# KiCad board yellow_panda.kicad_pcb
title: yellow_panda; rev: v1.0.0; company: Unknown
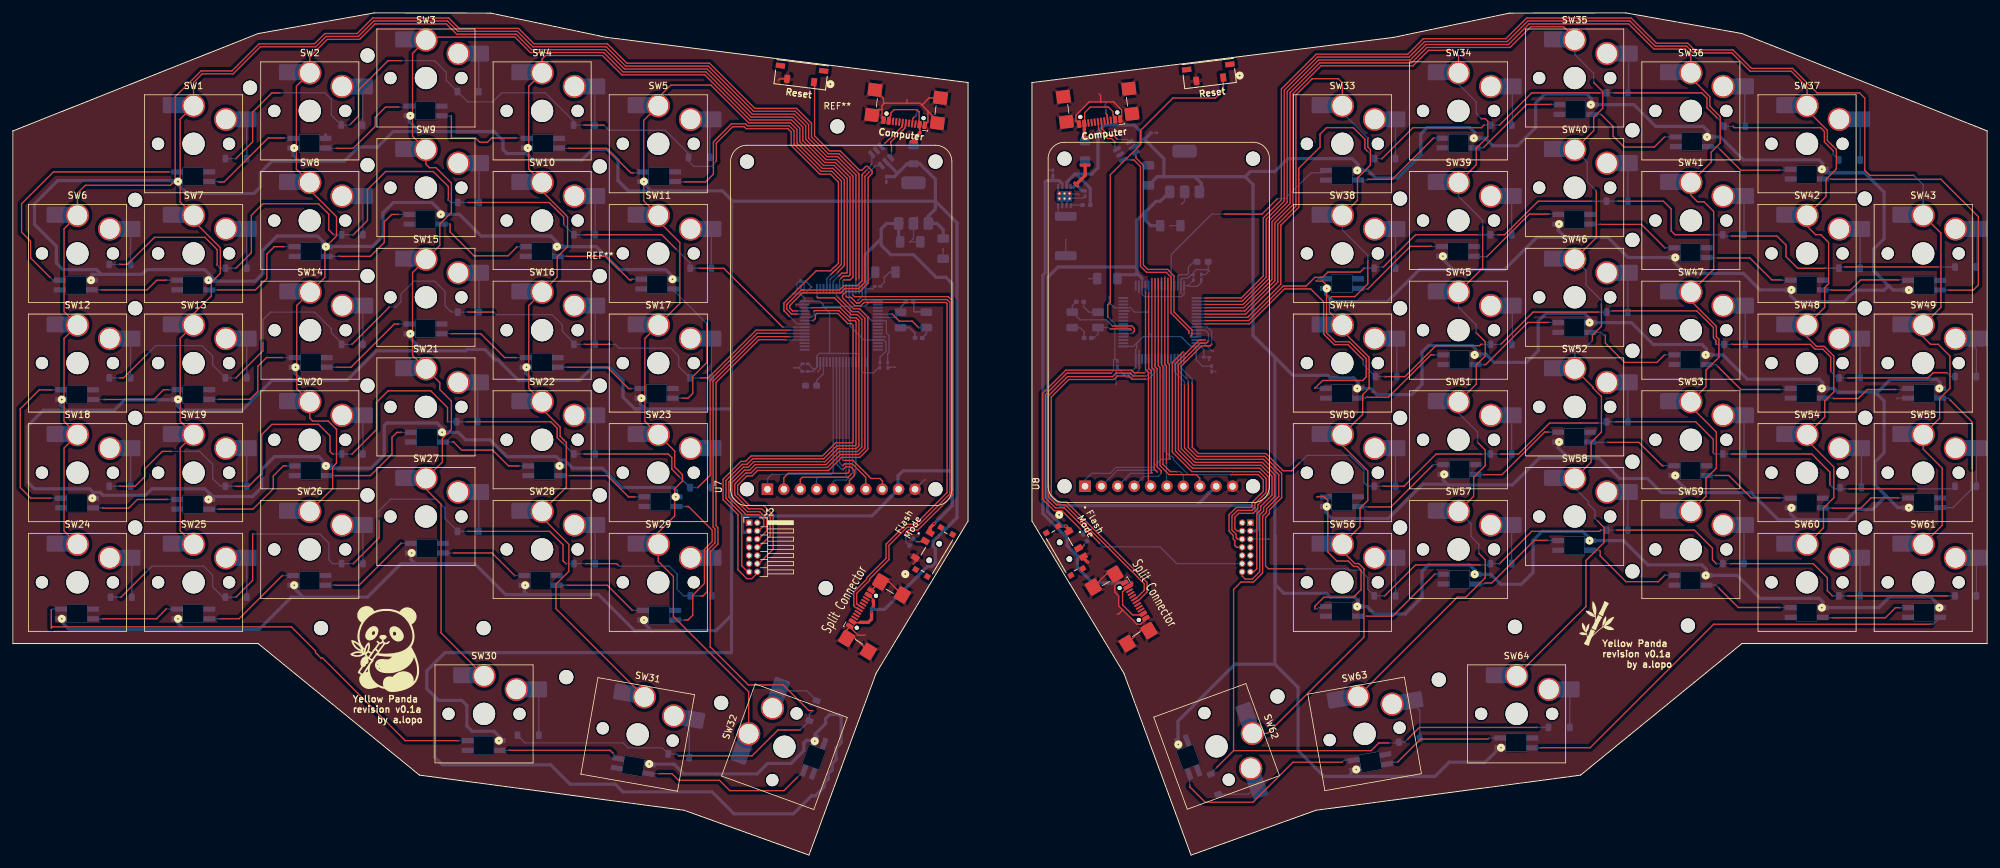
[diagram p0: board, top side]
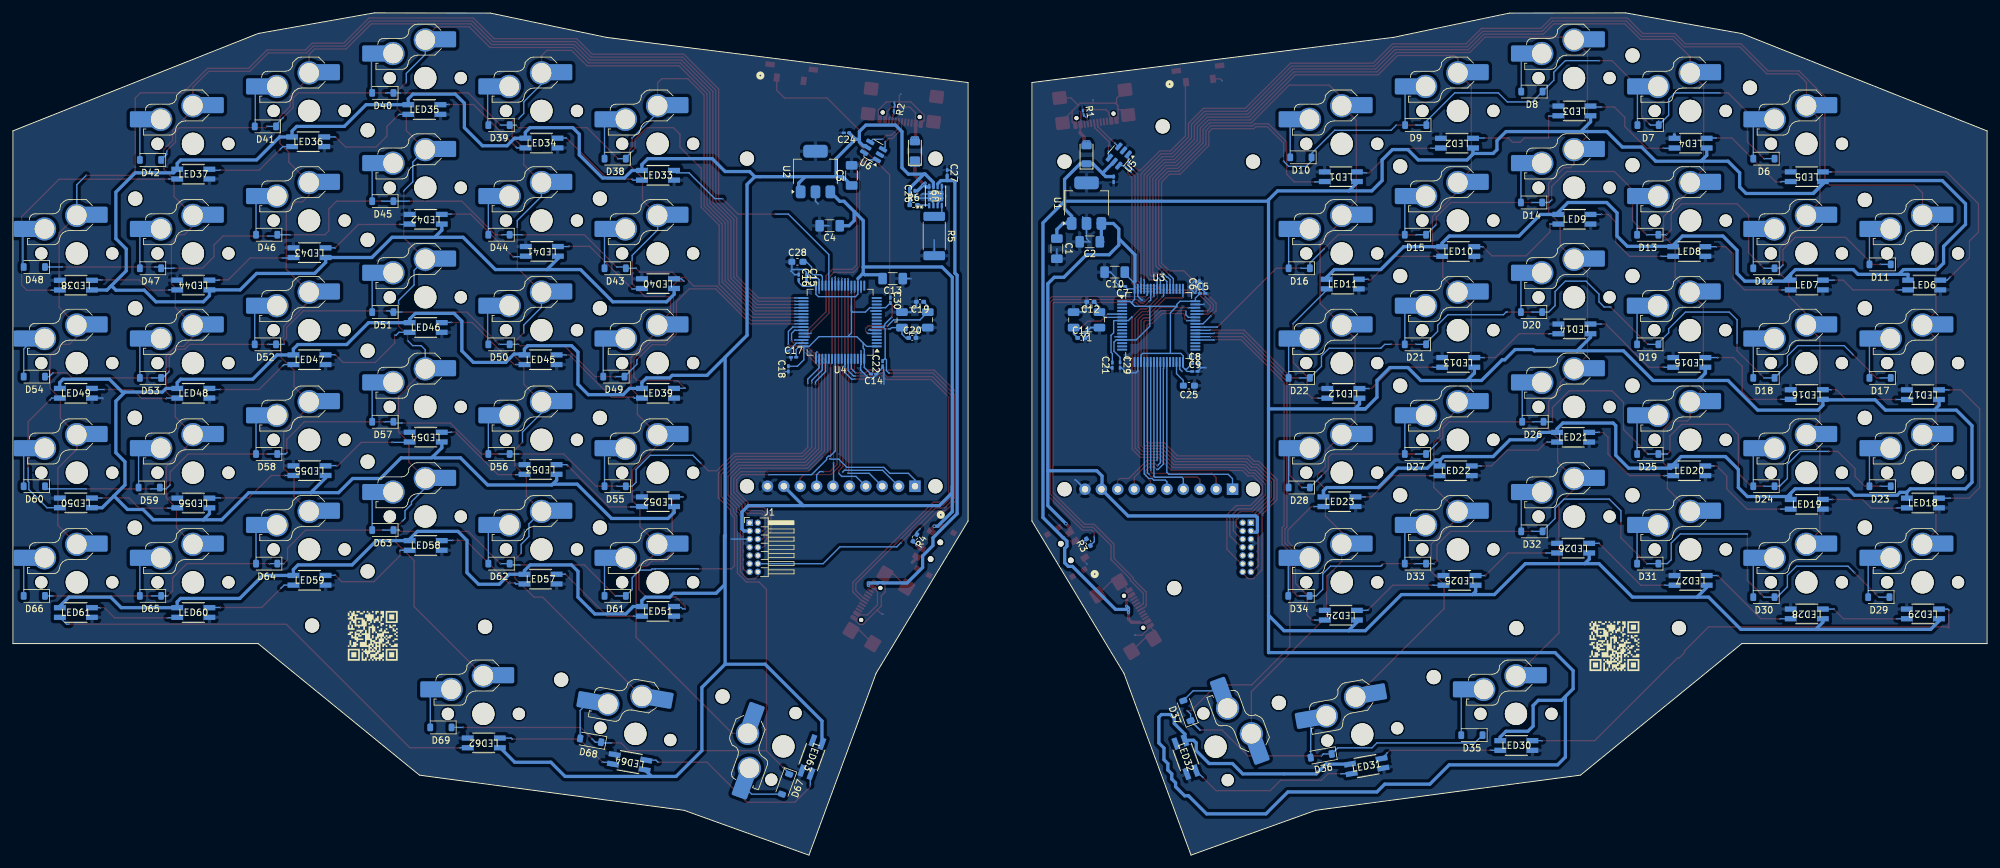
[diagram p1: board, bottom side, seen from below]

Outline 305.9 x 130.6 mm; copper layers: Top, Bottom. Coordinates in mm from the lower left corner of the outline.
Outline path: 0,112.3 38,127.4 56,130.6 74,130.57 92,126.8 148,119.8 148,51.8 133.75,28.2 123.35,0 104.01,6.95 63,12.4 38,32.8 0,32.8 0,112.3 ; 157.9,119.8 157.9,51.8 172.15,28.2 182.55,0 201.89,6.95 242.9,12.4 267.9,32.8 305.9,32.8 305.9,112.3 267.9,127.4 249.9,130.6 231.9,130.57 213.9,126.8 157.9,119.8

## Placement (name value [footprint] x y rotation side)
C1  10uF  [C_1206_3216Metric_Pad1.33x1.80mm_HandSolder]  144.14 94.04 270 bottom
C2  10uF  [C_1206_3216Metric_Pad1.33x1.80mm_HandSolder]  139.04 95.1 0 bottom
C3  10uF  [C_1206_3216Metric_Pad1.33x1.80mm_HandSolder]  175.94 105.4 90 bottom
C4  10uF  [C_1206_3216Metric_Pad1.33x1.80mm_HandSolder]  179.34 97.6 0 bottom
C5  100nF  [C_0201_0603Metric_Pad0.64x0.40mm_HandSolder]  121.54 87.1 180 bottom
C6  100nF  [C_0201_0603Metric_Pad0.64x0.40mm_HandSolder]  122.04 88.6 90 bottom
C7  100nF  [C_0201_0603Metric_Pad0.64x0.40mm_HandSolder]  133.98 88.2 0 bottom
C8  100nF  [C_0201_0603Metric_Pad0.64x0.40mm_HandSolder]  122.78 76.2 180 bottom
C9  100nF  [C_0201_0603Metric_Pad0.64x0.40mm_HandSolder]  122.76 75 180 bottom
C10  10uF  [C_1206_3216Metric_Pad1.33x1.80mm_HandSolder]  135.18 90.4 0 bottom
C11  15pF  [C_0402_1005Metric_Pad0.74x0.62mm_HandSolder]  140.34 80.2 180 bottom
C12  15pF  [C_0402_1005Metric_Pad0.74x0.62mm_HandSolder]  138.94 85.8 0 bottom
C13  10uF  [C_1206_3216Metric_Pad1.33x1.80mm_HandSolder]  169.58 89.4 0 bottom
C14  100nF  [C_0201_0603Metric_Pad0.64x0.40mm_HandSolder]  172.54 74.6 0 bottom
C15  100nF  [C_0201_0603Metric_Pad0.64x0.40mm_HandSolder]  182.94 89.6 270 bottom
C16  100nF  [C_0201_0603Metric_Pad0.64x0.40mm_HandSolder]  184.14 89.6 270 bottom
C17  100nF  [C_0201_0603Metric_Pad0.64x0.40mm_HandSolder]  184.94 77.2 180 bottom
C18  100nF  [C_0201_0603Metric_Pad0.64x0.40mm_HandSolder]  185.74 75.4 90 bottom
C19  15pF  [C_0402_1005Metric_Pad0.74x0.62mm_HandSolder]  165.34 85.8 0 bottom
C20  15pF  [C_0402_1005Metric_Pad0.74x0.62mm_HandSolder]  166.54 80.2 180 bottom
C21  100nF  [C_0201_0603Metric_Pad0.64x0.40mm_HandSolder]  135.54 75.97 90 bottom
C22  100nF  [C_0201_0603Metric_Pad0.64x0.40mm_HandSolder]  171.14 76.2 90 bottom
C23  100nF  [C_0201_0603Metric_Pad0.64x0.40mm_HandSolder]  135.34 104.81 270 bottom
C24  100nF  [C_0201_0603Metric_Pad0.64x0.40mm_HandSolder]  176.74 112 0 bottom
C25  2.2uF  [C_0603_1608Metric_Pad1.08x0.95mm_HandSolder]  123.68 72.8 0 bottom
C26  100nF  [C_0201_0603Metric_Pad0.64x0.40mm_HandSolder]  166.14 102.6 90 bottom
C27  100nF  [C_0201_0603Metric_Pad0.64x0.40mm_HandSolder]  161.14 105.8 270 bottom
C28  2.2uF  [C_0603_1608Metric_Pad1.08x0.95mm_HandSolder]  184.34 92 180 bottom
C29  100nF  [C_0201_0603Metric_Pad0.64x0.40mm_HandSolder]  134.34 76 270 bottom
C30  100nF  [C_0201_0603Metric_Pad0.64x0.40mm_HandSolder]  169.94 86.03 270 bottom
D2  SMF5.0A  [D_SOD-123FL]  139.54 108.6 90 bottom
D3  SMF5.0A  [D_SOD-123FL]  166.14 109.2 90 bottom
D6  ~  [D_SOD-123]  34.58 108 0 bottom
D7  ~  [D_SOD-123]  52.53 113.2 0 bottom
D8  ~  [D_SOD-123]  70.53 118.4 0 bottom
D9  ~  [D_SOD-123]  88.53 113.2 0 bottom
D10  ~  [D_SOD-123]  106.33 108.2 0 bottom
D11  ~  [D_SOD-123]  16.58 91.6 0 bottom
D12  ~  [D_SOD-123]  34.58 91 0 bottom
D13  ~  [D_SOD-123]  52.58 96.2 0 bottom
D14  ~  [D_SOD-123]  70.58 101.2 0 bottom
D15  ~  [D_SOD-123]  88.58 96.2 0 bottom
D16  ~  [D_SOD-123]  106.58 91 0 bottom
D17  ~  [D_SOD-123]  16.58 74 0 bottom
D18  ~  [D_SOD-123]  34.58 74 0 bottom
D19  ~  [D_SOD-123]  52.58 79.2 0 bottom
D20  ~  [D_SOD-123]  70.58 84.2 0 bottom
D21  ~  [D_SOD-123]  88.58 79.2 0 bottom
D22  ~  [D_SOD-123]  106.58 74 0 bottom
D23  ~  [D_SOD-123]  16.58 57.2 0 bottom
D24  ~  [D_SOD-123]  34.58 57.2 0 bottom
D25  ~  [D_SOD-123]  52.58 62.2 0 bottom
D26  ~  [D_SOD-123]  70.38 67.2 0 bottom
D27  ~  [D_SOD-123]  88.58 62.2 0 bottom
D28  ~  [D_SOD-123]  106.58 57 0 bottom
D29  ~  [D_SOD-123]  16.78 40 0 bottom
D30  ~  [D_SOD-123]  34.58 40 0 bottom
D31  ~  [D_SOD-123]  52.58 45.2 0 bottom
D32  ~  [D_SOD-123]  70.53 50.2 0 bottom
D33  ~  [D_SOD-123]  88.58 45.2 0 bottom
D34  ~  [D_SOD-123]  106.63 40.2 0 bottom
D35  ~  [D_SOD-123]  79.83 18.6 0 bottom
D36  ~  [D_SOD-123]  103.18 15.4 350 bottom
D37  ~  [D_SOD-123]  123.98 22.4 70 bottom
D38  ~  [D_SOD-123]  212.58 108 0 bottom
D39  ~  [D_SOD-123]  230.58 113.2 0 bottom
D40  ~  [D_SOD-123]  248.58 118.2 0 bottom
D41  ~  [D_SOD-123]  266.78 113 0 bottom
D42  ~  [D_SOD-123]  284.58 107.8 0 bottom
D43  ~  [D_SOD-123]  212.58 91 0 bottom
D44  ~  [D_SOD-123]  230.58 96.2 0 bottom
D45  ~  [D_SOD-123]  248.58 101.4 0 bottom
D46  ~  [D_SOD-123]  266.58 96.2 0 bottom
D47  ~  [D_SOD-123]  284.58 91 0 bottom
D48  ~  [D_SOD-123]  302.58 91.2 0 bottom
D49  ~  [D_SOD-123]  212.78 74.2 0 bottom
D50  ~  [D_SOD-123]  230.58 79.2 0 bottom
D51  ~  [D_SOD-123]  248.58 84.2 0 bottom
D52  ~  [D_SOD-123]  266.78 79.2 0 bottom
D53  ~  [D_SOD-123]  284.58 74 0 bottom
D54  ~  [D_SOD-123]  302.58 74.2 0 bottom
D55  ~  [D_SOD-123]  212.58 57.2 0 bottom
D56  ~  [D_SOD-123]  230.58 62.2 0 bottom
D57  ~  [D_SOD-123]  248.58 67.2 0 bottom
D58  ~  [D_SOD-123]  266.58 62.2 0 bottom
D59  ~  [D_SOD-123]  284.78 57 0 bottom
D60  ~  [D_SOD-123]  302.58 57.2 0 bottom
D61  ~  [D_SOD-123]  212.58 40.2 0 bottom
D62  ~  [D_SOD-123]  230.58 45.2 0 bottom
D63  ~  [D_SOD-123]  248.58 50.4 0 bottom
D64  ~  [D_SOD-123#2]  266.58 45.2 0 bottom
D65  ~  [D_SOD-123]  284.58 40.2 0 bottom
D66  ~  [D_SOD-123]  302.58 40.2 0 bottom
D67  ~  [D_SOD-123]  186.18 11 290 bottom
D68  ~  [D_SOD-123]  216.38 17.8 10 bottom
D69  ~  [D_SOD-123]  239.58 19.8 0 bottom
G  LOGO  [panda]  57.94 32 0 top
G***  LOGO  [bamboo]  245.54 35.8 340 top
G***#2  -  [LOGO]  250.14 34 0 bottom
G***#3  -  [LOGO]  57.74 32.4 0 bottom
J1  Conn_ST_STDC14  [PinHeader_2x07_P1.27mm_Horizontal]  191.74 51.54 180 bottom
J2  Conn_ST_STDC14  [PinHeader_2x07_P1.27mm_Horizontal]  114.07 51.54 0 top
LED1  4960  [4960_ADA]  100.14 105.2 0 bottom
LED2  4960  [4960_ADA]  82.14 110.4 0 bottom
LED3  4960  [4960_ADA]  63.94 115.4 0 bottom
LED4  4960  [4960_ADA]  45.94 110.4 0 bottom
LED5  4960  [4960_ADA]  27.94 105.2 0 bottom
LED6  4960  [4960_ADA]  9.74 88.4 180 bottom
LED7  4960  [4960_ADA]  27.94 88.4 180 bottom
LED8  4960  [4960_ADA]  46.14 93.6 180 bottom
LED9  4960  [4960_ADA]  63.94 98.6 180 bottom
LED10  4960  [4960_ADA]  81.94 93.6 180 bottom
LED11  4960  [4960_ADA]  99.84 88.55 180 bottom
LED12  4960  [4960_ADA]  99.74 71.6 0 bottom
LED13  4960  [4960_ADA]  81.94 76.4 0 bottom
LED14  4960  [4960_ADA]  63.94 81.6 0 bottom
LED15  4960  [4960_ADA]  46.14 76.4 0 bottom
LED16  4960  [4960_ADA]  27.94 71.42 0 bottom
LED17  4960  [4960_ADA]  9.94 71.4 0 bottom
LED18  4960  [4960_ADA]  9.94 54.6 180 bottom
LED19  4960  [4960_ADA]  27.94 54.4 180 bottom
LED20  4960  [4960_ADA]  46.14 59.6 180 bottom
LED21  4960  [4960_ADA]  64.14 64.8 180 bottom
LED22  4960  [4960_ADA]  82.34 59.6 180 bottom
LED23  4960  [4960_ADA]  100.34 54.8 180 bottom
LED24  4960  [4960_ADA]  100.14 37.2 0 bottom
LED25  4960  [4960_ADA]  81.74 42.6 0 bottom
LED26  4960  [4960_ADA]  64.14 47.6 0 bottom
LED27  4960  [4960_ADA]  45.94 42.6 0 bottom
LED28  4960  [4960_ADA]  27.94 37.4 0 bottom
LED29  4960  [4960_ADA]  9.94 37.4 0 bottom
LED30  4960  [4960_ADA]  72.94 17 180 bottom
LED31  4960  [4960_ADA]  96.14 13.8 170 bottom
LED32  4960  [4960_ADA]  124.14 15.2 250 bottom
LED33  4960  [4960_ADA]  205.94 105.42 180 bottom
LED34  4960  [4960_ADA]  224 110.42 180 bottom
LED35  4960  [4960_ADA]  242.14 115.62 180 bottom
LED36  4960  [4960_ADA]  260.14 110.62 180 bottom
LED37  4960  [4960_ADA]  277.94 105.6 180 bottom
LED38  4960  [4960_ADA]  296.14 88.38 0 bottom
LED39  4960  [4960_ADA]  205.94 71.62 180 bottom
LED40  4960  [4960_ADA]  205.94 88.62 0 bottom
LED41  4960  [4960_ADA]  223.94 93.62 0 bottom
LED42  4960  [4960_ADA]  241.94 98.6 0 bottom
LED43  4960  [4960_ADA]  259.94 93.42 0 bottom
LED44  4960  [4960_ADA]  277.94 88.4 0 bottom
LED45  4960  [4960_ADA]  224.14 76.82 180 bottom
LED46  4960  [4960_ADA]  241.94 81.82 180 bottom
LED47  4960  [4960_ADA]  259.94 76.82 180 bottom
LED48  4960  [4960_ADA]  277.94 71.62 180 bottom
LED49  4960  [4960_ADA]  296.14 71.62 180 bottom
LED50  4960  [4960_ADA]  296.14 54.62 0 bottom
LED51  4960  [4960_ADA]  205.94 37.8 180 bottom
LED52  4960  [4960_ADA]  205.94 54.8 0 bottom
LED53  4960  [4960_ADA]  224.14 59.8 0 bottom
LED54  4960  [4960_ADA]  241.94 64.82 0 bottom
LED55  4960  [4960_ADA]  259.94 59.62 0 bottom
LED56  4960  [4960_ADA]  277.94 54.6 0 bottom
LED57  4960  [4960_ADA]  224.14 42.8 180 bottom
LED58  4960  [4960_ADA]  241.94 48.02 180 bottom
LED59  4960  [4960_ADA]  259.94 42.62 180 bottom
LED60  4960  [4960_ADA]  277.94 37.62 180 bottom
LED61  4960  [4960_ADA]  296.14 37.62 180 bottom
LED62  4960  [4960_ADA]  232.94 17.4 0 bottom
LED63  4960  [4960_ADA]  182.09 15.19 290 bottom
LED64  4960  [4960_ADA]  210.34 14.42 10 bottom
NOREF  -  [unnamed]  214.94 50.8 0 top
NOREF#2  -  [bf87ff4d-921f-4e46-abc4-457b704bfae1]  165.34 50 0 top
NOREF#3  -  [unnamed]  214.94 84.8 0 top
NOREF#4  -  [unnamed]  214.94 67.8 0 top
NOREF#5  -  [unnamed]  214.94 101.8 0 top
NOREF#6  -  [bf87ff4d-921f-4e46-abc4-457b704bfae1]  140.34 49.8 0 top
P1  USB_C_Plug_USB2.0  [USB_C_Receptacle_GCT_USB4110#2]  138.55 117.22 173 top
P2  USB_C_Plug_USB2.0  [USB_C_Receptacle_GCT_USB4110#4]  167.94 117.4 187 top
P3  Master Connection Plug  [USB_C_Receptacle_GCT_USB4110#3]  134.48 36.39 59 top
P4  Slave Connection Plug  [USB_C_Receptacle_GCT_USB4110]  170.74 37.6 301 top
R1  5.1kΩ  [R_01005_0402Metric_Pad0.57x0.30mm_HandSolder]  140.04 115.1 260 bottom
R2  5.1kΩ  [R_01005_0402Metric_Pad0.57x0.30mm_HandSolder]  169.34 115.8 280 bottom
R3  10k  [R_0402_1005Metric_Pad0.72x0.64mm_HandSolder]  139.25 48.52 60 bottom
R4  10k  [R_0402_1005Metric_Pad0.72x0.64mm_HandSolder]  166.14 49.2 300 bottom
R5  330  [R_2512_6332Metric_Pad1.40x3.35mm_HandSolder]  163.14 96 270 bottom
R6  10k  [R_0402_1005Metric_Pad0.72x0.64mm_HandSolder]  166.34 100.8 180 bottom
REF**  -  [MountingHole_2.2mm_M2]  286.94 84.8 0 top
REF**#2  -  [MountingHole_2.2mm_M2]  90.94 106.8 0 top
REF**#3  -  [MountingHole_2.2mm_M2]  90.94 55.8 0 top
REF**#4  -  [MountingHole_2.2mm_M2]  250.94 78.2 0 top
REF**#5  -  [MountingHole_2.2mm_M2]  36.74 119 0 top
REF**#6  -  [MountingHole_2.2mm_M2]  232.74 35.4 0 top
REF**#7  -  [MountingHole_2.2mm_M2]  54.94 107 0 top
REF**#8  -  [MountingHole_2.2mm_M2]  18.94 84.8 0 top
REF**#9  -  [MountingHole_2.2mm_M2]  127.74 113 0 top
REF**#10  -  [MountingHole_2.2mm_M2]  250.94 61 0 top
REF**#11  -  [MountingHole_2.2mm_M2]  286.94 101.8 0 top
REF**#12  -  [MountingHole_2.2mm_M2]  85.74 27.6 0 top
REF**#13  -  [MountingHole_2.2mm_M2]  72.94 35.2 0 top
REF**#14  -  [MountingHole_2.2mm_M2]  54.94 89.8 0 top
REF**#15  -  [MountingHole_2.2mm_M2]  195.94 24.6 0 top
REF**#16  -  [MountingHole_2.2mm_M2]  287.02 67.81 0 top
REF**#17  -  [MountingHole_2.2mm_M2]  54.94 55.8 0 top
REF**#18  -  [MountingHole_2.2mm_M2]  250.94 95.4 0 top
REF**#19  -  [MountingHole_2.2mm_M2]  90.94 72.8 0 top
REF**#20  -  [MountingHole_2.2mm_M2]  18.94 101.6 0 top
REF**#21  -  [MountingHole_2.2mm_M2]  90.94 89.8 0 top
REF**#22  -  [MountingHole_2.2mm_M2]  18.94 67.8 0 top
REF**#23  -  [MountingHole_2.2mm_M2]  250.94 44 0 top
REF**#24  -  [MountingHole_2.2mm_M2]  125.94 41.4 0 top
REF**#25  -  [MountingHole_2.2mm_M2]  259.54 35.6 0 top
REF**#26  -  [MountingHole_2.2mm_M2]  220.94 27.2 0 top
REF**#27  -  [MountingHole_2.2mm_M2]  287.01 50.78 0 top
REF**#28  -  [MountingHole_2.2mm_M2]  54.94 72.8 0 top
REF**#29  -  [MountingHole_2.2mm_M2]  250.94 112.4 0 top
REF**#30  -  [MountingHole_2.2mm_M2]  54.94 124 0 top
REF**#31  -  [MountingHole_2.2mm_M2]  18.94 50.8 0 top
REF**#32  -  [MountingHole_2.2mm_M2]  47.74 35.2 0 top
REF**#33  -  [MountingHole_2.2mm_M2]  109.74 23.6 0 bottom
SW1  ~  [SW_Hotswap_Kailh_Choc_V1_Plated_1.00u]  27.99 110.3 0 top
SW2  ~  [SW_Hotswap_Kailh_Choc_V1_Plated_1.00u]  46 115.4 0 top
SW3  ~  [SW_Hotswap_Kailh_Choc_V1_Plated_1.00u]  64 120.5 0 top
SW4  ~  [SW_Hotswap_Kailh_Choc_V1_Plated_1.00u]  82 115.4 0 top
SW5  ~  [SW_Hotswap_Kailh_Choc_V1_Plated_1.00u]  100 110.3 0 top
SW6  ~  [SW_Hotswap_Kailh_Choc_V1_Plated_1.00u]  10 93.3 0 top
SW7  ~  [SW_Hotswap_Kailh_Choc_V1_Plated_1.00u]  28 93.3 0 top
SW8  ~  [SW_Hotswap_Kailh_Choc_V1_Plated_1.00u]  46 98.4 0 top
SW9  ~  [SW_Hotswap_Kailh_Choc_V1_Plated_1.00u]  64 103.5 0 top
SW10  ~  [SW_Hotswap_Kailh_Choc_V1_Plated_1.00u]  82 98.4 0 top
SW11  ~  [SW_Hotswap_Kailh_Choc_V1_Plated_1.00u]  100 93.3 0 top
SW12  ~  [SW_Hotswap_Kailh_Choc_V1_Plated_1.00u]  10 76.3 0 top
SW13  ~  [SW_Hotswap_Kailh_Choc_V1_Plated_1.00u]  28 76.3 0 top
SW14  ~  [SW_Hotswap_Kailh_Choc_V1_Plated_1.00u]  46.05 81.4 0 top
SW15  ~  [SW_Hotswap_Kailh_Choc_V1_Plated_1.00u]  64 86.5 0 top
SW16  ~  [SW_Hotswap_Kailh_Choc_V1_Plated_1.00u]  82 81.4 0 top
SW17  ~  [SW_Hotswap_Kailh_Choc_V1_Plated_1.00u]  100 76.3 0 top
SW18  ~  [SW_Hotswap_Kailh_Choc_V1_Plated_1.00u]  10 59.3 0 top
SW19  ~  [SW_Hotswap_Kailh_Choc_V1_Plated_1.00u]  28 59.3 0 top
SW20  ~  [SW_Hotswap_Kailh_Choc_V1_Plated_1.00u]  46 64.4 0 top
SW21  ~  [SW_Hotswap_Kailh_Choc_V1_Plated_1.00u]  64 69.5 0 top
SW22  ~  [SW_Hotswap_Kailh_Choc_V1_Plated_1.00u]  82 64.4 0 top
SW23  ~  [SW_Hotswap_Kailh_Choc_V1_Plated_1.00u]  100 59.3 0 top
SW24  ~  [SW_Hotswap_Kailh_Choc_V1_Plated_1.00u]  10 42.3 0 top
SW25  ~  [SW_Hotswap_Kailh_Choc_V1_Plated_1.00u]  28 42.3 0 top
SW26  ~  [SW_Hotswap_Kailh_Choc_V1_Plated_1.00u]  46 47.4 0 top
SW27  ~  [SW_Hotswap_Kailh_Choc_V1_Plated_1.00u]  64 52.5 0 top
SW28  ~  [SW_Hotswap_Kailh_Choc_V1_Plated_1.00u]  82 47.4 0 top
SW29  ~  [SW_Hotswap_Kailh_Choc_V1_Plated_1.00u]  100 42.3 0 top
SW30  ~  [SW_Hotswap_Kailh_Choc_V1_Plated_1.00u]  73 21.9 0 top
SW31  ~  [SW_Hotswap_Kailh_Choc_V1_Plated_1.00u]  96.81 18.71 350 top
SW32  ~  [SW_Hotswap_Kailh_Choc_V1_Plated_1.50u]  119.55 16.8 70 top
SW33  ~  [SW_Hotswap_Kailh_Choc_V1_Plated_1.00u]  206 110.3 0 top
SW34  ~  [SW_Hotswap_Kailh_Choc_V1_Plated_1.00u]  224 115.4 0 top
SW35  ~  [SW_Hotswap_Kailh_Choc_V1_Plated_1.00u]  242 120.5 0 top
SW36  ~  [SW_Hotswap_Kailh_Choc_V1_Plated_1.00u]  260 115.4 0 top
SW37  ~  [SW_Hotswap_Kailh_Choc_V1_Plated_1.00u]  278 110.3 0 top
SW38  ~  [SW_Hotswap_Kailh_Choc_V1_Plated_1.00u]  206 93.3 0 top
SW39  ~  [SW_Hotswap_Kailh_Choc_V1_Plated_1.00u]  224 98.4 0 top
SW40  ~  [SW_Hotswap_Kailh_Choc_V1_Plated_1.00u]  242 103.5 0 top
SW41  ~  [SW_Hotswap_Kailh_Choc_V1_Plated_1.00u]  260 98.4 0 top
SW42  ~  [SW_Hotswap_Kailh_Choc_V1_Plated_1.00u]  278 93.3 0 top
SW43  ~  [SW_Hotswap_Kailh_Choc_V1_Plated_1.00u]  296 93.3 0 top
SW44  ~  [SW_Hotswap_Kailh_Choc_V1_Plated_1.00u]  206 76.3 0 top
SW45  ~  [SW_Hotswap_Kailh_Choc_V1_Plated_1.00u]  224 81.4 0 top
SW46  ~  [SW_Hotswap_Kailh_Choc_V1_Plated_1.00u]  242 86.5 0 top
SW47  ~  [SW_Hotswap_Kailh_Choc_V1_Plated_1.00u]  260 81.4 0 top
SW48  ~  [SW_Hotswap_Kailh_Choc_V1_Plated_1.00u]  278 76.3 0 top
SW49  ~  [SW_Hotswap_Kailh_Choc_V1_Plated_1.00u]  296 76.3 0 top
SW50  ~  [SW_Hotswap_Kailh_Choc_V1_Plated_1.00u]  206 59.3 0 top
SW51  ~  [SW_Hotswap_Kailh_Choc_V1_Plated_1.00u]  224 64.4 0 top
SW52  ~  [SW_Hotswap_Kailh_Choc_V1_Plated_1.00u]  242 69.5 0 top
SW53  ~  [SW_Hotswap_Kailh_Choc_V1_Plated_1.00u]  260 64.4 0 top
SW54  ~  [SW_Hotswap_Kailh_Choc_V1_Plated_1.00u]  278 59.3 0 top
SW55  ~  [SW_Hotswap_Kailh_Choc_V1_Plated_1.00u]  296 59.3 0 top
SW56  ~  [SW_Hotswap_Kailh_Choc_V1_Plated_1.00u]  206 42.3 0 top
SW57  ~  [SW_Hotswap_Kailh_Choc_V1_Plated_1.00u]  224 47.4 0 top
SW58  ~  [SW_Hotswap_Kailh_Choc_V1_Plated_1.00u]  242 52.5 0 top
SW59  ~  [SW_Hotswap_Kailh_Choc_V1_Plated_1.00u]  260 47.4 0 top
SW60  ~  [SW_Hotswap_Kailh_Choc_V1_Plated_1.00u]  278 42.3 0 top
SW61  ~  [SW_Hotswap_Kailh_Choc_V1_Plated_1.00u]  296 42.3 0 top
SW62  ~  [SW_Hotswap_Kailh_Choc_V1_Plated_1.50u]  186.51 16.86 290 top
SW63  ~  [SW_Hotswap_Kailh_Choc_V1_Plated_1.00u]  209.45 18.8 10 top
SW64  ~  [SW_Hotswap_Kailh_Choc_V1_Plated_1.00u]  233 21.9 0 top
SW65  SW_SPDT  [SLW-66527511-SMT-TR_CUD]  142.75 47 59 top
SW66  SW_SPDT  [SLW-66527511-SMT-TR_CUD]  162.95 47.2 300 top
SW67  SW_Push  [SW_TL3330_EWI]  122.15 121 173 top
SW68  SW_Push  [SW_TL3330_EWI]  185.35 121.2 187 top
U1  LT1963AxST-3.3  [SOT-223-3_TabPin2]  139.54 101.1 90 bottom
U2  LT1963AxST-3.3  [SOT-223-3_TabPin2]  181.54 106 90 bottom
U3  STM32F446RCTx  [LQFP-64_10x10mm_P0.5mm]  128.35 82.14 180 bottom
U4  STM32F446RCTx  [LQFP-64_10x10mm_P0.5mm#2]  177.73 82.63 0 bottom
U5  USBLC6-2SC6  [SOT-23-6#2]  134.54 108.4 310 bottom
U6  USBLC6-2SC6  [SOT-23-6]  172.54 109.2 30 bottom
U7  358  [MODULE_358]  128.35 82.14 90 top
U8  358  [MODULE_358]  177.55 82.6 90 top
U9  TPS2115ADRBR  [DRB8_2P4X1P65]  162.94 102.2 90 bottom
Y1  8MHz  [Crystal_SMD_Abracon_ABM3B-4Pin_5.0x3.2mm]  139.54 83 0 bottom
Y2  8MHz  [Crystal_SMD_Abracon_ABM3B-4Pin_5.0x3.2mm]  166.14 83 180 bottom

## Library data of the parts
C1-C4 C23-C29 = -: Description: Unpolarized capacitor; ki_fp_filters: C_*
C5-C22 C30 = -: ki_fp_filters: C_*
D2 D3 = -: Datasheet: https://wmsc.lcsc.com/wmsc/upload/file/pdf/v2/lcsc/2312041000_hongjiacheng-SMF5-0A_C19077497.pdf; Description: 27.4A 7.3V 200W 6.4V Unidirectional 5V SOD-123FL ESD and Surge Protection (TVS/ESD) ROHS; LCSC: C19077497; Stock: 158412; Price: 0.028USD; Process: SMT; Minimum Qty: 15; Attrition Qty: 4; Class: Preferred Component; Category: Circuit Protection,ESD And Surge Protection (TVS/ESD); Manufacturer: hongjiacheng; ki_fp_filters: D_*
D6-D69 = -: Sim.Device: D; Sim.Pins: 1=K 2=A; ki_fp_filters: TO-???* *_Diode_* *SingleDiode* D_*
J1 J2 = -: Datasheet: https://www.st.com/content/ccc/resource/technical/document/user_manual/group1/99/49/91/b6/b2/3a/46/e5/DM00526767/files/DM00526767.pdf/jcr:content/translations/en.DM00526767.pdf; Description: ST Debug Connector, standard ARM Cortex-M SWD and JTAG interface plus UART; ki_fp_filters: PinHeader?2x07?P1.27mm*
LED1-LED64 = -: ki_fp_filters: 4960_ADA
P1 P2 = -: Datasheet: https://www.usb.org/sites/default/files/documents/usb_type-c.zip; ki_fp_filters: USB*C*Plug*
P3 P4 = -: Datasheet: https://www.usb.org/sites/default/files/documents/usb_type-c.zip; Description: USB 2.0-only Type-C Plug connector; ki_fp_filters: USB*C*Plug*
R1-R4 = -: ki_fp_filters: R_*
R5 R6 = -: Description: Resistor; ki_fp_filters: R_*
U1 U2 = -: Datasheet: https://www.analog.com/media/en/technical-documentation/data-sheets/1963aff.pdf; Description: 3.3V, 1.5A, Low Noise, Fast Transient Response LDO Regulator, SOT-223; ki_fp_filters: SOT*223*
U3 U4 = -: Datasheet: https://www.st.com/resource/en/datasheet/stm32f446rc.pdf; Description: STMicroelectronics Arm Cortex-M4 MCU, 256KB flash, 128KB RAM, 180 MHz, 1.8-3.6V, 50 GPIO, LQFP64; ki_fp_filters: LQFP*10x10mm*P0.5mm*
U5 U6 = -: Datasheet: https://www.st.com/resource/en/datasheet/usblc6-2.pdf; Description: Very low capacitance ESD protection diode, 2 data-line, SOT-23-6; ki_fp_filters: SOT?23*
U7 U8 = -: PARTREV: 2021-12-09; MANUFACTURER: Adafruit Industries; STANDARD: Manufacturer Recommendations
U9 = -: Datasheet: https://www.ti.com/lit/gpn/tps2115a; ki_fp_filters: DRB8_2P4X1P65
Y1 Y2 = -: ki_fp_filters: Crystal*

## Footprints (pads in the part's own frame, mm; a bottom-side part is the same pattern mirrored in y, then rotated)
4960_ADA
  rect 1.803x0.813 smd: 1(-2.502,0.749) 2(-2.502,-0.749) 3(2.502,-0.749) 4(2.502,0.749)
C_0201_0603Metric_Pad0.64x0.40mm_HandSolder
  rrect 0.458x0.36 smd: (-0.433,0) (0.433,0)
  rrect 0.635x0.4 smd: 1(-0.408,0) 2(0.408,0)
C_0402_1005Metric_Pad0.74x0.62mm_HandSolder
  rrect 0.735x0.62 smd: 1(-0.568,0) 2(0.568,0)
C_0603_1608Metric_Pad1.08x0.95mm_HandSolder
  rrect 1.075x0.95 smd: 1(-0.863,0) 2(0.863,0)
C_1206_3216Metric_Pad1.33x1.80mm_HandSolder
  rrect 1.325x1.8 smd: 1(-1.562,0) 2(1.562,0)
Crystal_SMD_Abracon_ABM3B-4Pin_5.0x3.2mm
  rrect 1.8x1.2 smd: 1(-2,-1.2) 2(2,-1.2) 3(2,1.2) 4(-2,1.2)
D_SOD-123
  rrect 0.9x1.2 smd: 1(-1.65,0) 2(1.65,0)
D_SOD-123#2
  rrect 0.9x1.2 smd: 1(-1.65,0) 2(1.65,0)
D_SOD-123FL
  rrect 1.1x1.6 smd: 1(-1.4,0) 2(1.4,0)
DRB8_2P4X1P65
  rect 0.85x0.35 smd: 1(-1.475,0.975) 2(-1.475,0.325) 3(-1.475,-0.325) 4(-1.475,-0.975) 5(1.475,-0.975) 6(1.475,-0.325) 7(1.475,0.325) 8(1.475,0.975)
  rect 1.65x2.4 smd: 9(0,0)
  round 0.508 hole 0.254: V(-0.394,-0.787) V(-0.394,0) V(-0.394,0.787) V(0.394,-0.787) V(0.394,0) V(0.394,0.787)
LQFP-64_10x10mm_P0.5mm
  rrect 1.55x0.3 smd: 1(-5.675,3.75) 2(-5.675,3.25) 3(-5.675,2.75) 4(-5.675,2.25) 5(-5.675,1.75) 6(-5.675,1.25) 7(-5.675,0.75) 8(-5.675,0.25) 9(-5.675,-0.25) 10(-5.675,-0.75) 11(-5.675,-1.25) 12(-5.675,-1.75) 13(-5.675,-2.25) 14(-5.675,-2.75) 15(-5.675,-3.25) 16(-5.675,-3.75) 33(5.675,-3.75) 34(5.675,-3.25) 35(5.675,-2.75) 36(5.675,-2.25) 37(5.675,-1.75) 38(5.675,-1.25) 39(5.675,-0.75) 40(5.675,-0.25) 41(5.675,0.25) 42(5.675,0.75) 43(5.675,1.25) 44(5.675,1.75) 45(5.675,2.25) 46(5.675,2.75) 47(5.675,3.25) 48(5.675,3.75)
  rrect 0.3x1.55 smd: 17(-3.75,-5.675) 18(-3.25,-5.675) 19(-2.75,-5.675) 20(-2.25,-5.675) 21(-1.75,-5.675) 22(-1.25,-5.675) 23(-0.75,-5.675) 24(-0.25,-5.675) 25(0.25,-5.675) 26(0.75,-5.675) 27(1.25,-5.675) 28(1.75,-5.675) 29(2.25,-5.675) 30(2.75,-5.675) 31(3.25,-5.675) 32(3.75,-5.675) 49(3.75,5.675) 50(3.25,5.675) 51(2.75,5.675) 52(2.25,5.675) 53(1.75,5.675) 54(1.25,5.675) 55(0.75,5.675) 56(0.25,5.675) 57(-0.25,5.675) 58(-0.75,5.675) 59(-1.25,5.675) 60(-1.75,5.675) 61(-2.25,5.675) 62(-2.75,5.675) 63(-3.25,5.675) 64(-3.75,5.675)
LQFP-64_10x10mm_P0.5mm#2
  rrect 1.55x0.3 smd: 1(-5.675,3.75) 2(-5.675,3.25) 3(-5.675,2.75) 4(-5.675,2.25) 5(-5.675,1.75) 6(-5.675,1.25) 7(-5.675,0.75) 8(-5.675,0.25) 9(-5.675,-0.25) 10(-5.675,-0.75) 11(-5.675,-1.25) 12(-5.675,-1.75) 13(-5.675,-2.25) 14(-5.675,-2.75) 15(-5.675,-3.25) 16(-5.675,-3.75) 33(5.675,-3.75) 34(5.675,-3.25) 35(5.675,-2.75) 36(5.675,-2.25) 37(5.675,-1.75) 38(5.675,-1.25) 39(5.675,-0.75) 40(5.675,-0.25) 41(5.675,0.25) 42(5.675,0.75) 43(5.675,1.25) 44(5.675,1.75) 45(5.675,2.25) 46(5.675,2.75) 47(5.675,3.25) 48(5.675,3.75)